# KiCad board Eclipse60.kicad_pcb (continued)
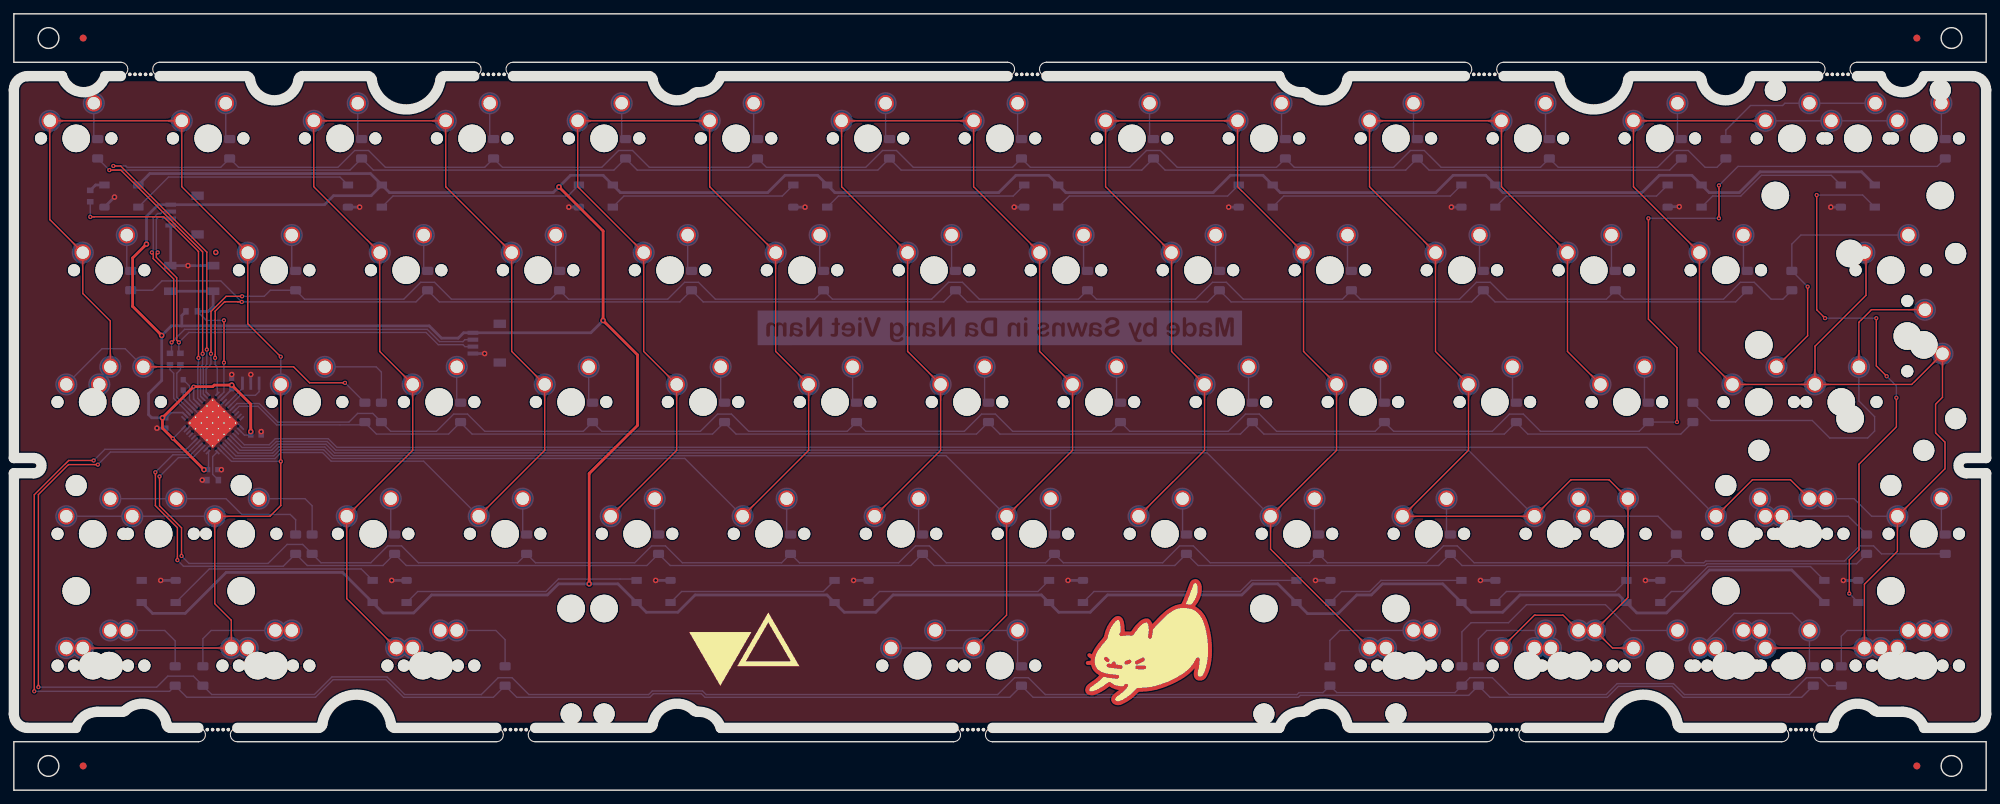
[diagram p0: board, top side]
## Copper pours and planes (outline as drawn; the poured copper is in the pictures) (continued)
Net-(D49-Pad2) on Bottom: 26.64,42.23 26.5,42.23 26.37,42.24 26.25,42.25 26.14,42.27 26.04,42.29 25.94,42.32 25.85,42.35 25.77,42.38 25.69,42.42 25.61,42.45 25.54,42.5 25.48,42.54 25.41,42.59 25.35,42.64 25.29,42.69 25.23,42.75 24.92,43.04 24.85,43.1 24.78,43.16 24.7,43.22 24.63,43.28 24.54,43.34 24.45,43.4 24.36,43.46 24.25,43.51 24.14,43.57 22.65,42.13 24.14,40.69 24.25,40.75 24.36,40.8 24.45,40.86 24.54,40.92 24.63,40.98 24.7,41.04 24.78,41.1 24.85,41.16 24.92,41.22 25.23,41.51 25.29,41.57 25.35,41.62 25.41,41.67 25.48,41.72 25.54,41.76 25.61,41.8 25.69,41.84 25.77,41.88 25.85,41.91 25.94,41.94 26.04,41.97 26.14,41.99 26.25,42.01 26.37,42.02 26.5,42.03 26.64,42.03
Net-(D49-Pad2) on Bottom: 25.84,42.23 25.73,42.23 25.64,42.24 25.55,42.25 25.47,42.26 25.39,42.27 25.32,42.29 25.25,42.31 25.19,42.34 25.13,42.36 25.07,42.39 25.02,42.42 24.97,42.46 24.92,42.49 24.87,42.53 24.44,42.91 24.39,42.95 24.33,43 24.27,43.04 24.2,43.08 24.13,43.13 24.05,43.17 23.97,43.21 22.85,42.13 23.97,41.05 24.05,41.09 24.13,41.13 24.2,41.18 24.27,41.22 24.33,41.26 24.39,41.31 24.44,41.35 24.87,41.73 24.92,41.77 24.97,41.8 25.02,41.84 25.07,41.87 25.13,41.9 25.19,41.92 25.25,41.95 25.32,41.97 25.39,41.99 25.47,42 25.55,42.01 25.64,42.02 25.73,42.03 25.84,42.03
Net-(D49-Pad2) on Bottom: 40.57,38.14 40.13,37.21 40.67,36.65 41.21,37.21 40.77,38.14
Net-(D50-Pad2) on Bottom: 38.54,42.23 38.41,42.23 38.28,42.24 38.16,42.25 38.05,42.27 37.95,42.29 37.85,42.32 37.76,42.35 37.67,42.38 37.6,42.42 37.52,42.45 37.45,42.5 37.38,42.54 37.32,42.59 37.25,42.64 37.19,42.69 37.13,42.75 36.82,43.04 36.76,43.1 36.68,43.16 36.61,43.22 36.53,43.28 36.45,43.34 36.36,43.4 36.26,43.46 36.16,43.51 36.05,43.57 34.55,42.13 36.05,40.69 36.16,40.75 36.26,40.8 36.36,40.86 36.45,40.92 36.53,40.98 36.61,41.04 36.68,41.1 36.76,41.16 36.82,41.22 37.13,41.51 37.19,41.57 37.25,41.62 37.32,41.67 37.38,41.72 37.45,41.76 37.52,41.8 37.6,41.84 37.67,41.88 37.76,41.91 37.85,41.94 37.95,41.97 38.05,41.99 38.16,42.01 38.28,42.02 38.41,42.03 38.54,42.03
Net-(D50-Pad2) on Bottom: 37.74,42.23 37.64,42.23 37.55,42.24 37.46,42.25 37.37,42.26 37.3,42.27 37.22,42.29 37.16,42.31 37.09,42.34 37.03,42.36 36.98,42.39 36.92,42.42 36.87,42.46 36.82,42.49 36.78,42.53 36.35,42.91 36.29,42.95 36.23,43 36.17,43.04 36.1,43.08 36.03,43.13 35.96,43.17 35.88,43.21 34.75,42.13 35.88,41.05 35.96,41.09 36.03,41.13 36.1,41.18 36.17,41.22 36.23,41.26 36.29,41.31 36.35,41.35 36.78,41.73 36.82,41.77 36.87,41.8 36.92,41.84 36.98,41.87 37.03,41.9 37.09,41.92 37.16,41.95 37.22,41.97 37.3,41.99 37.37,42 37.46,42.01 37.55,42.02 37.64,42.03 37.74,42.03
Net-(D50-Pad2) on Bottom: 42.96,38.14 42.52,37.21 43.06,36.65 43.6,37.21 43.16,38.14
Net-(D51-Pad2) on Bottom: 54.5,38.94 54.51,39.08 54.51,39.2 54.53,39.32 54.54,39.43 54.56,39.54 54.59,39.63 54.62,39.72 54.65,39.81 54.69,39.89 54.73,39.96 54.77,40.03 54.82,40.1 54.86,40.17 54.91,40.23 54.97,40.29 55.02,40.35 55.31,40.66 55.37,40.73 55.43,40.8 55.49,40.87 55.55,40.95 55.61,41.03 55.67,41.12 55.73,41.22 55.79,41.32 55.84,41.43 54.4,42.93 52.96,41.43 53.02,41.32 53.08,41.22 53.13,41.12 53.19,41.03 53.25,40.95 53.31,40.87 53.37,40.8 53.43,40.73 53.49,40.66 53.79,40.35 53.84,40.29 53.89,40.23 53.94,40.17 53.99,40.1 54.03,40.03 54.08,39.96 54.12,39.89 54.15,39.81 54.19,39.72 54.22,39.63 54.24,39.54 54.26,39.43 54.28,39.32 54.29,39.2 54.3,39.08 54.3,38.94
Net-(D51-Pad2) on Bottom: 54.5,39.74 54.5,39.84 54.51,39.94 54.52,40.03 54.53,40.11 54.55,40.19 54.57,40.26 54.59,40.33 54.61,40.39 54.64,40.45 54.67,40.5 54.7,40.56 54.73,40.61 54.76,40.66 54.8,40.71 55.18,41.13 55.22,41.19 55.27,41.25 55.31,41.31 55.36,41.38 55.4,41.45 55.44,41.53 55.48,41.61 54.4,42.73 53.32,41.61 53.36,41.53 53.41,41.45 53.45,41.38 53.49,41.31 53.54,41.25 53.58,41.19 53.63,41.13 54,40.71 54.04,40.66 54.08,40.61 54.11,40.56 54.14,40.5 54.17,40.45 54.19,40.39 54.22,40.33 54.24,40.26 54.26,40.19 54.27,40.11 54.29,40.03 54.3,39.94 54.3,39.84 54.3,39.74
Net-(D52-Pad2) on Bottom: 73.55,38.94 73.56,39.08 73.56,39.2 73.58,39.32 73.59,39.43 73.61,39.54 73.64,39.63 73.67,39.72 73.7,39.81 73.74,39.89 73.78,39.96 73.82,40.03 73.87,40.1 73.91,40.17 73.96,40.23 74.02,40.29 74.07,40.35 74.36,40.66 74.42,40.73 74.48,40.8 74.54,40.87 74.6,40.95 74.66,41.03 74.72,41.12 74.78,41.22 74.84,41.32 74.89,41.43 73.45,42.93 72.01,41.43 72.07,41.32 72.13,41.22 72.18,41.12 72.24,41.03 72.3,40.95 72.36,40.87 72.42,40.8 72.48,40.73 72.54,40.66 72.84,40.35 72.89,40.29 72.94,40.23 72.99,40.17 73.04,40.1 73.08,40.03 73.13,39.96 73.17,39.89 73.2,39.81 73.24,39.72 73.27,39.63 73.29,39.54 73.31,39.43 73.33,39.32 73.34,39.2 73.35,39.08 73.35,38.94
Net-(D52-Pad2) on Bottom: 73.55,39.74 73.55,39.84 73.56,39.94 73.57,40.03 73.58,40.11 73.6,40.19 73.62,40.26 73.64,40.33 73.66,40.39 73.69,40.45 73.72,40.5 73.75,40.56 73.78,40.61 73.81,40.66 73.85,40.71 74.23,41.13 74.27,41.19 74.32,41.25 74.36,41.31 74.41,41.38 74.45,41.45 74.49,41.53 74.53,41.61 73.45,42.73 72.37,41.61 72.41,41.53 72.46,41.45 72.5,41.38 72.54,41.31 72.59,41.25 72.63,41.19 72.68,41.13 73.05,40.71 73.09,40.66 73.13,40.61 73.16,40.56 73.19,40.5 73.22,40.45 73.24,40.39 73.27,40.33 73.29,40.26 73.31,40.19 73.32,40.11 73.34,40.03 73.35,39.94 73.35,39.84 73.35,39.74
Net-(D53-Pad2) on Bottom: 92.6,38.94 92.61,39.08 92.61,39.2 92.63,39.32 92.64,39.43 92.66,39.54 92.69,39.63 92.72,39.72 92.75,39.81 92.79,39.89 92.83,39.96 92.87,40.03 92.92,40.1 92.96,40.17 93.01,40.23 93.07,40.29 93.12,40.35 93.41,40.66 93.47,40.73 93.53,40.8 93.59,40.87 93.65,40.95 93.71,41.03 93.77,41.12 93.83,41.22 93.89,41.32 93.94,41.43 92.5,42.93 91.06,41.43 91.12,41.32 91.18,41.22 91.23,41.12 91.29,41.03 91.35,40.95 91.41,40.87 91.47,40.8 91.53,40.73 91.59,40.66 91.89,40.35 91.94,40.29 91.99,40.23 92.04,40.17 92.09,40.1 92.13,40.03 92.18,39.96 92.22,39.89 92.25,39.81 92.29,39.72 92.32,39.63 92.34,39.54 92.36,39.43 92.38,39.32 92.39,39.2 92.4,39.08 92.4,38.94
Net-(D53-Pad2) on Bottom: 92.6,39.74 92.6,39.84 92.61,39.94 92.62,40.03 92.63,40.11 92.65,40.19 92.67,40.26 92.69,40.33 92.71,40.39 92.74,40.45 92.77,40.5 92.8,40.56 92.83,40.61 92.86,40.66 92.9,40.71 93.28,41.13 93.32,41.19 93.37,41.25 93.41,41.31 93.46,41.38 93.5,41.45 93.54,41.53 93.58,41.61 92.5,42.73 91.42,41.61 91.46,41.53 91.51,41.45 91.55,41.38 91.59,41.31 91.64,41.25 91.68,41.19 91.73,41.13 92.1,40.71 92.14,40.66 92.18,40.61 92.21,40.56 92.24,40.5 92.27,40.45 92.29,40.39 92.32,40.33 92.34,40.26 92.36,40.19 92.37,40.11 92.39,40.03 92.4,39.94 92.4,39.84 92.4,39.74
Net-(D54-Pad2) on Bottom: 111.65,38.94 111.66,39.08 111.66,39.2 111.68,39.32 111.69,39.43 111.71,39.54 111.74,39.63 111.77,39.72 111.8,39.81 111.84,39.89 111.88,39.96 111.92,40.03 111.97,40.1 112.01,40.17 112.06,40.23 112.12,40.29 112.17,40.35 112.46,40.66 112.52,40.73 112.58,40.8 112.64,40.87 112.7,40.95 112.76,41.03 112.82,41.12 112.88,41.22 112.94,41.32 112.99,41.43 111.55,42.93 110.11,41.43 110.17,41.32 110.23,41.22 110.28,41.12 110.34,41.03 110.4,40.95 110.46,40.87 110.52,40.8 110.58,40.73 110.64,40.66 110.94,40.35 110.99,40.29 111.04,40.23 111.09,40.17 111.14,40.1 111.18,40.03 111.23,39.96 111.27,39.89 111.3,39.81 111.34,39.72 111.37,39.63 111.39,39.54 111.41,39.43 111.43,39.32 111.44,39.2 111.45,39.08 111.45,38.94
Net-(D54-Pad2) on Bottom: 111.65,39.74 111.65,39.84 111.66,39.94 111.67,40.03 111.68,40.11 111.7,40.19 111.72,40.26 111.74,40.33 111.76,40.39 111.79,40.45 111.82,40.5 111.85,40.56 111.88,40.61 111.91,40.66 111.95,40.71 112.33,41.13 112.37,41.19 112.42,41.25 112.46,41.31 112.51,41.38 112.55,41.45 112.59,41.53 112.63,41.61 111.55,42.73 110.47,41.61 110.51,41.53 110.56,41.45 110.6,41.38 110.64,41.31 110.69,41.25 110.73,41.19 110.78,41.13 111.15,40.71 111.19,40.66 111.23,40.61 111.26,40.56 111.29,40.5 111.32,40.45 111.34,40.39 111.37,40.33 111.39,40.26 111.41,40.19 111.42,40.11 111.44,40.03 111.45,39.94 111.45,39.84 111.45,39.74
Net-(D55-Pad2) on Bottom: 130.7,38.94 130.71,39.08 130.71,39.2 130.73,39.32 130.74,39.43 130.76,39.54 130.79,39.63 130.82,39.72 130.85,39.81 130.89,39.89 130.93,39.96 130.97,40.03 131.02,40.1 131.06,40.17 131.11,40.23 131.17,40.29 131.22,40.35 131.51,40.66 131.57,40.73 131.63,40.8 131.69,40.87 131.75,40.95 131.81,41.03 131.87,41.12 131.93,41.22 131.99,41.32 132.04,41.43 130.6,42.93 129.16,41.43 129.22,41.32 129.28,41.22 129.33,41.12 129.39,41.03 129.45,40.95 129.51,40.87 129.57,40.8 129.63,40.73 129.69,40.66 129.99,40.35 130.04,40.29 130.09,40.23 130.14,40.17 130.19,40.1 130.23,40.03 130.28,39.96 130.32,39.89 130.35,39.81 130.39,39.72 130.42,39.63 130.44,39.54 130.46,39.43 130.48,39.32 130.49,39.2 130.5,39.08 130.5,38.94
Net-(D55-Pad2) on Bottom: 130.7,39.74 130.7,39.84 130.71,39.94 130.72,40.03 130.73,40.11 130.75,40.19 130.77,40.26 130.79,40.33 130.81,40.39 130.84,40.45 130.87,40.5 130.9,40.56 130.93,40.61 130.96,40.66 131,40.71 131.38,41.13 131.42,41.19 131.47,41.25 131.51,41.31 131.56,41.38 131.6,41.45 131.64,41.53 131.68,41.61 130.6,42.73 129.52,41.61 129.56,41.53 129.61,41.45 129.65,41.38 129.69,41.31 129.74,41.25 129.78,41.19 129.83,41.13 130.2,40.71 130.24,40.66 130.28,40.61 130.31,40.56 130.34,40.5 130.37,40.45 130.39,40.39 130.42,40.33 130.44,40.26 130.46,40.19 130.47,40.11 130.49,40.03 130.5,39.94 130.5,39.84 130.5,39.74
Net-(D56-Pad2) on Bottom: 149.75,38.94 149.76,39.08 149.76,39.2 149.78,39.32 149.79,39.43 149.81,39.54 149.84,39.63 149.87,39.72 149.9,39.81 149.94,39.89 149.98,39.96 150.02,40.03 150.07,40.1 150.11,40.17 150.16,40.23 150.22,40.29 150.27,40.35 150.56,40.66 150.62,40.73 150.68,40.8 150.74,40.87 150.8,40.95 150.86,41.03 150.92,41.12 150.98,41.22 151.04,41.32 151.09,41.43 149.65,42.93 148.21,41.43 148.27,41.32 148.33,41.22 148.38,41.12 148.44,41.03 148.5,40.95 148.56,40.87 148.62,40.8 148.68,40.73 148.74,40.66 149.04,40.35 149.09,40.29 149.14,40.23 149.19,40.17 149.24,40.1 149.28,40.03 149.33,39.96 149.37,39.89 149.4,39.81 149.44,39.72 149.47,39.63 149.49,39.54 149.51,39.43 149.53,39.32 149.54,39.2 149.55,39.08 149.55,38.94
Net-(D56-Pad2) on Bottom: 149.75,39.74 149.75,39.84 149.76,39.94 149.77,40.03 149.78,40.11 149.8,40.19 149.82,40.26 149.84,40.33 149.86,40.39 149.89,40.45 149.92,40.5 149.95,40.56 149.98,40.61 150.01,40.66 150.05,40.71 150.43,41.13 150.47,41.19 150.52,41.25 150.56,41.31 150.61,41.38 150.65,41.45 150.69,41.53 150.73,41.61 149.65,42.73 148.57,41.61 148.61,41.53 148.66,41.45 148.7,41.38 148.74,41.31 148.79,41.25 148.83,41.19 148.88,41.13 149.25,40.71 149.29,40.66 149.33,40.61 149.36,40.56 149.39,40.5 149.42,40.45 149.44,40.39 149.47,40.33 149.49,40.26 149.51,40.19 149.52,40.11 149.54,40.03 149.55,39.94 149.55,39.84 149.55,39.74
Net-(D57-Pad2) on Bottom: 168.8,38.94 168.81,39.08 168.81,39.2 168.83,39.32 168.84,39.43 168.86,39.54 168.89,39.63 168.92,39.72 168.95,39.81 168.99,39.89 169.03,39.96 169.07,40.03 169.12,40.1 169.16,40.17 169.21,40.23 169.27,40.29 169.32,40.35 169.61,40.66 169.67,40.73 169.73,40.8 169.79,40.87 169.85,40.95 169.91,41.03 169.97,41.12 170.03,41.22 170.09,41.32 170.14,41.43 168.7,42.93 167.26,41.43 167.32,41.32 167.38,41.22 167.43,41.12 167.49,41.03 167.55,40.95 167.61,40.87 167.67,40.8 167.73,40.73 167.79,40.66 168.09,40.35 168.14,40.29 168.19,40.23 168.24,40.17 168.29,40.1 168.33,40.03 168.38,39.96 168.42,39.89 168.45,39.81 168.49,39.72 168.52,39.63 168.54,39.54 168.56,39.43 168.58,39.32 168.59,39.2 168.6,39.08 168.6,38.94
Net-(D57-Pad2) on Bottom: 168.8,39.74 168.8,39.84 168.81,39.94 168.82,40.03 168.83,40.11 168.85,40.19 168.87,40.26 168.89,40.33 168.91,40.39 168.94,40.45 168.97,40.5 169,40.56 169.03,40.61 169.06,40.66 169.1,40.71 169.48,41.13 169.52,41.19 169.57,41.25 169.61,41.31 169.66,41.38 169.7,41.45 169.74,41.53 169.78,41.61 168.7,42.73 167.62,41.61 167.66,41.53 167.71,41.45 167.75,41.38 167.79,41.31 167.84,41.25 167.88,41.19 167.93,41.13 168.3,40.71 168.34,40.66 168.38,40.61 168.41,40.56 168.44,40.5 168.47,40.45 168.49,40.39 168.52,40.33 168.54,40.26 168.56,40.19 168.57,40.11 168.59,40.03 168.6,39.94 168.6,39.84 168.6,39.74
Net-(D58-Pad2) on Bottom: 187.85,38.94 187.86,39.08 187.86,39.2 187.88,39.32 187.89,39.43 187.91,39.54 187.94,39.63 187.97,39.72 188,39.81 188.04,39.89 188.08,39.96 188.12,40.03 188.17,40.1 188.21,40.17 188.26,40.23 188.32,40.29 188.37,40.35 188.66,40.66 188.72,40.73 188.78,40.8 188.84,40.87 188.9,40.95 188.96,41.03 189.02,41.12 189.08,41.22 189.14,41.32 189.19,41.43 187.75,42.93 186.31,41.43 186.37,41.32 186.43,41.22 186.48,41.12 186.54,41.03 186.6,40.95 186.66,40.87 186.72,40.8 186.78,40.73 186.84,40.66 187.14,40.35 187.19,40.29 187.24,40.23 187.29,40.17 187.34,40.1 187.38,40.03 187.43,39.96 187.47,39.89 187.5,39.81 187.54,39.72 187.57,39.63 187.59,39.54 187.61,39.43 187.63,39.32 187.64,39.2 187.65,39.08 187.65,38.94
Net-(D58-Pad2) on Bottom: 187.85,39.74 187.85,39.84 187.86,39.94 187.87,40.03 187.88,40.11 187.9,40.19 187.92,40.26 187.94,40.33 187.96,40.39 187.99,40.45 188.02,40.5 188.05,40.56 188.08,40.61 188.11,40.66 188.15,40.71 188.53,41.13 188.57,41.19 188.62,41.25 188.66,41.31 188.71,41.38 188.75,41.45 188.79,41.53 188.83,41.61 187.75,42.73 186.67,41.61 186.71,41.53 186.76,41.45 186.8,41.38 186.84,41.31 186.89,41.25 186.93,41.19 186.98,41.13 187.35,40.71 187.39,40.66 187.43,40.61 187.46,40.56 187.49,40.5 187.52,40.45 187.54,40.39 187.57,40.33 187.59,40.26 187.61,40.19 187.62,40.11 187.64,40.03 187.65,39.94 187.65,39.84 187.65,39.74
Net-(D59-Pad2) on Bottom: 206.9,38.94 206.91,39.08 206.91,39.2 206.93,39.32 206.94,39.43 206.96,39.54 206.99,39.63 207.02,39.72 207.05,39.81 207.09,39.89 207.13,39.96 207.17,40.03 207.22,40.1 207.26,40.17 207.31,40.23 207.37,40.29 207.42,40.35 207.71,40.66 207.77,40.73 207.83,40.8 207.89,40.87 207.95,40.95 208.01,41.03 208.07,41.12 208.13,41.22 208.19,41.32 208.24,41.43 206.8,42.93 205.36,41.43 205.42,41.32 205.48,41.22 205.53,41.12 205.59,41.03 205.65,40.95 205.71,40.87 205.77,40.8 205.83,40.73 205.89,40.66 206.19,40.35 206.24,40.29 206.29,40.23 206.34,40.17 206.39,40.1 206.43,40.03 206.48,39.96 206.52,39.89 206.55,39.81 206.59,39.72 206.62,39.63 206.64,39.54 206.66,39.43 206.68,39.32 206.69,39.2 206.7,39.08 206.7,38.94
Net-(D59-Pad2) on Bottom: 206.9,39.74 206.9,39.84 206.91,39.94 206.92,40.03 206.93,40.11 206.95,40.19 206.97,40.26 206.99,40.33 207.01,40.39 207.04,40.45 207.07,40.5 207.1,40.56 207.13,40.61 207.16,40.66 207.2,40.71 207.58,41.13 207.62,41.19 207.67,41.25 207.71,41.31 207.76,41.38 207.8,41.45 207.84,41.53 207.88,41.61 206.8,42.73 205.72,41.61 205.76,41.53 205.81,41.45 205.85,41.38 205.89,41.31 205.94,41.25 205.98,41.19 206.03,41.13 206.4,40.71 206.44,40.66 206.48,40.61 206.51,40.56 206.54,40.5 206.57,40.45 206.59,40.39 206.62,40.33 206.64,40.26 206.66,40.19 206.67,40.11 206.69,40.03 206.7,39.94 206.7,39.84 206.7,39.74
Net-(D60-Pad2) on Bottom: 229.84,39.69 229.7,39.69 229.57,39.7 229.45,39.71 229.34,39.73 229.24,39.75 229.14,39.78 229.05,39.81 228.97,39.84 228.89,39.88 228.81,39.91 228.74,39.96 228.68,40 228.61,40.05 228.55,40.1 228.49,40.15 228.43,40.21 228.12,40.5 228.05,40.56 227.98,40.62 227.9,40.68 227.83,40.74 227.74,40.8 227.65,40.86 227.56,40.92 227.45,40.97 227.34,41.03 225.85,39.59 227.34,38.15 227.45,38.21 227.56,38.26 227.65,38.32 227.74,38.38 227.83,38.44 227.9,38.5 227.98,38.56 228.05,38.62 228.12,38.68 228.43,38.97 228.49,39.03 228.55,39.08 228.61,39.13 228.68,39.18 228.74,39.22 228.81,39.26 228.89,39.3 228.97,39.34 229.05,39.37 229.14,39.4 229.24,39.43 229.34,39.45 229.45,39.47 229.57,39.48 229.7,39.49 229.84,39.49
Net-(D60-Pad2) on Bottom: 229.04,39.69 228.93,39.69 228.84,39.7 228.75,39.71 228.67,39.72 228.59,39.73 228.52,39.75 228.45,39.77 228.39,39.8 228.33,39.82 228.27,39.85 228.22,39.88 228.17,39.92 228.12,39.95 228.07,39.99 227.64,40.37 227.59,40.41 227.53,40.46 227.47,40.5 227.4,40.54 227.33,40.59 227.25,40.63 227.17,40.67 226.05,39.59 227.17,38.51 227.25,38.55 227.33,38.59 227.4,38.64 227.47,38.68 227.53,38.72 227.59,38.77 227.64,38.81 228.07,39.19 228.12,39.23 228.17,39.26 228.22,39.3 228.27,39.33 228.33,39.36 228.39,39.38 228.45,39.41 228.52,39.43 228.59,39.45 228.67,39.46 228.75,39.47 228.84,39.48 228.93,39.49 229.04,39.49
Net-(D60-Pad2) on Bottom: 239.07,37.72 239.41,36.75 240.19,36.74 240.18,37.52 239.21,37.86
Net-(D62-Pad2) on Bottom: 258.41,39.69 258.27,39.69 258.15,39.7 258.03,39.71 257.92,39.73 257.81,39.75 257.72,39.78 257.63,39.81 257.54,39.84 257.46,39.88 257.39,39.91 257.32,39.96 257.25,40 257.19,40.05 257.12,40.1 257.06,40.15 257,40.21 256.69,40.5 256.62,40.56 256.55,40.62 256.48,40.68 256.4,40.74 256.32,40.8 256.23,40.86 256.13,40.92 256.03,40.97 255.92,41.03 254.42,39.59 255.92,38.15 256.03,38.21 256.13,38.26 256.23,38.32 256.32,38.38 256.4,38.44 256.48,38.5 256.55,38.56 256.62,38.62 256.69,38.68 257,38.97 257.06,39.03 257.12,39.08 257.19,39.13 257.25,39.18 257.32,39.22 257.39,39.26 257.46,39.3 257.54,39.34 257.63,39.37 257.72,39.4 257.81,39.43 257.92,39.45 258.03,39.47 258.15,39.48 258.27,39.49 258.41,39.49
Net-(D62-Pad2) on Bottom: 257.61,39.69 257.51,39.69 257.41,39.7 257.33,39.71 257.24,39.72 257.17,39.73 257.09,39.75 257.03,39.77 256.96,39.8 256.9,39.82 256.85,39.85 256.79,39.88 256.74,39.92 256.69,39.95 256.65,39.99 256.22,40.37 256.16,40.41 256.1,40.46 256.04,40.5 255.97,40.54 255.9,40.59 255.83,40.63 255.74,40.67 254.62,39.59 255.74,38.51 255.83,38.55 255.9,38.59 255.97,38.64 256.04,38.68 256.1,38.72 256.16,38.77 256.22,38.81 256.65,39.19 256.69,39.23 256.74,39.26 256.79,39.3 256.85,39.33 256.9,39.36 256.96,39.38 257.03,39.41 257.09,39.43 257.17,39.45 257.24,39.46 257.33,39.47 257.41,39.48 257.51,39.49 257.61,39.49
Net-(D62-Pad2) on Bottom: 266.53,37.72 266.88,36.75 267.66,36.74 267.64,37.52 266.67,37.86
Net-(D63-Pad2) on Bottom: 278.34,38.94 278.34,39.08 278.35,39.2 278.36,39.32 278.38,39.43 278.4,39.54 278.43,39.63 278.46,39.72 278.49,39.81 278.53,39.89 278.56,39.96 278.61,40.03 278.65,40.1 278.7,40.17 278.75,40.23 278.8,40.29 278.86,40.35 279.15,40.66 279.21,40.73 279.27,40.8 279.33,40.87 279.39,40.95 279.45,41.03 279.51,41.12 279.57,41.22 279.62,41.32 279.68,41.43 278.24,42.93 276.8,41.43 276.86,41.32 276.91,41.22 276.97,41.12 277.03,41.03 277.09,40.95 277.15,40.87 277.21,40.8 277.27,40.73 277.33,40.66 277.62,40.35 277.68,40.29 277.73,40.23 277.78,40.17 277.83,40.1 277.87,40.03 277.92,39.96 277.95,39.89 277.99,39.81 278.02,39.72 278.05,39.63 278.08,39.54 278.1,39.43 278.12,39.32 278.13,39.2 278.14,39.08 278.14,38.94
Net-(D63-Pad2) on Bottom: 278.34,39.74 278.34,39.84 278.35,39.94 278.36,40.03 278.37,40.11 278.38,40.19 278.4,40.26 278.42,40.33 278.45,40.39 278.47,40.45 278.5,40.5 278.53,40.56 278.57,40.61 278.6,40.66 278.64,40.71 279.02,41.13 279.06,41.19 279.11,41.25 279.15,41.31 279.19,41.38 279.24,41.45 279.28,41.53 279.32,41.61 278.24,42.73 277.16,41.61 277.2,41.53 277.24,41.45 277.29,41.38 277.33,41.31 277.37,41.25 277.42,41.19 277.46,41.13 277.84,40.71 277.88,40.66 277.91,40.61 277.95,40.56 277.98,40.5 278.01,40.45 278.03,40.39 278.06,40.33 278.08,40.26 278.1,40.19 278.11,40.11 278.12,40.03 278.13,39.94 278.14,39.84 278.14,39.74
Net-(D65-Pad2) on Bottom: 19.49,23.18 19.36,23.18 19.23,23.19 19.11,23.2 19,23.22 18.9,23.24 18.8,23.27 18.71,23.3 18.62,23.33 18.55,23.37 18.47,23.4 18.4,23.45 18.33,23.49 18.27,23.54 18.2,23.59 18.14,23.64 18.08,23.7 17.77,23.99 17.71,24.05 17.63,24.11 17.56,24.17 17.48,24.23 17.4,24.29 17.31,24.35 17.21,24.41 17.11,24.46 17,24.52 15.5,23.08 17,21.64 17.11,21.7 17.21,21.75 17.31,21.81 17.4,21.87 17.48,21.93 17.56,21.99 17.63,22.05 17.71,22.11 17.77,22.17 18.08,22.46 18.14,22.52 18.2,22.57 18.27,22.62 18.33,22.67 18.4,22.71 18.47,22.75 18.55,22.79 18.62,22.83 18.71,22.86 18.8,22.89 18.9,22.92 19,22.94 19.11,22.96 19.23,22.97 19.36,22.98 19.49,22.98
Net-(D65-Pad2) on Bottom: 18.69,23.18 18.59,23.18 18.5,23.19 18.41,23.2 18.32,23.21 18.25,23.22 18.17,23.24 18.11,23.26 18.04,23.29 17.98,23.31 17.93,23.34 17.87,23.37 17.82,23.41 17.77,23.44 17.73,23.48 17.3,23.86 17.24,23.9 17.18,23.95 17.12,23.99 17.05,24.03 16.98,24.08 16.91,24.12 16.83,24.16 15.7,23.08 16.83,22 16.91,22.04 16.98,22.08 17.05,22.13 17.12,22.17 17.18,22.21 17.24,22.26 17.3,22.3 17.73,22.68 17.77,22.72 17.82,22.75 17.87,22.79 17.93,22.82 17.98,22.85 18.04,22.87 18.11,22.9 18.17,22.92 18.25,22.94 18.32,22.95 18.41,22.96 18.5,22.97 18.59,22.98 18.69,22.98
Net-(D65-Pad2) on Bottom: 23.19,19.09 22.75,18.16 23.29,17.6 23.83,18.16 23.39,19.09
Net-(D66-Pad2) on Bottom: 27.19,19.09 26.75,18.16 27.29,17.6 27.83,18.16 27.39,19.09
Net-(D66-Pad2) on Bottom: 34.54,22.98 34.68,22.98 34.81,22.97 34.93,22.96 35.04,22.94 35.14,22.92 35.24,22.89 35.33,22.86 35.41,22.83 35.49,22.79 35.57,22.75 35.64,22.71 35.7,22.67 35.77,22.62 35.83,22.57 35.89,22.52 35.95,22.46 36.26,22.17 36.33,22.11 36.4,22.05 36.48,21.99 36.55,21.93 36.64,21.87 36.73,21.81 36.82,21.75 36.93,21.7 37.04,21.64 38.53,23.08 37.04,24.52 36.93,24.46 36.82,24.41 36.73,24.35 36.64,24.29 36.55,24.23 36.48,24.17 36.4,24.11 36.33,24.05 36.26,23.99 35.95,23.7 35.89,23.64 35.83,23.59 35.77,23.54 35.7,23.49 35.64,23.45 35.57,23.4 35.49,23.37 35.41,23.33 35.33,23.3 35.24,23.27 35.14,23.24 35.04,23.22 34.93,23.2 34.81,23.19 34.68,23.18 34.54,23.18
Net-(D66-Pad2) on Bottom: 35.34,22.98 35.45,22.98 35.54,22.97 35.63,22.96 35.71,22.95 35.79,22.94 35.86,22.92 35.93,22.9 35.99,22.87 36.05,22.85 36.11,22.82 36.16,22.79 36.21,22.75 36.26,22.72 36.31,22.68 36.74,22.3 36.79,22.26 36.85,22.21 36.91,22.17 36.98,22.13 37.05,22.08 37.13,22.04 37.21,22 38.33,23.08 37.21,24.16 37.13,24.12 37.05,24.08 36.98,24.03 36.91,23.99 36.85,23.95 36.79,23.9 36.74,23.86 36.31,23.48 36.26,23.44 36.21,23.41 36.16,23.37 36.11,23.34 36.05,23.31 35.99,23.29 35.93,23.26 35.86,23.24 35.79,23.22 35.71,23.21 35.63,23.2 35.54,23.19 35.45,23.18 35.34,23.18
Net-(D67-Pad2) on Bottom: 70.81,19.09 70.37,18.16 70.91,17.6 71.45,18.16 71.01,19.09
Net-(D67-Pad2) on Bottom: 67.12,23.18 66.98,23.18 66.85,23.19 66.73,23.2 66.62,23.22 66.52,23.24 66.42,23.27 66.33,23.3 66.25,23.33 66.17,23.37 66.1,23.4 66.02,23.45 65.96,23.49 65.89,23.54 65.83,23.59 65.77,23.64 65.71,23.7 65.4,23.99 65.33,24.05 65.26,24.11 65.19,24.17 65.11,24.23 65.02,24.29 64.93,24.35 64.84,24.41 64.73,24.46 64.62,24.52 63.13,23.08 64.62,21.64 64.73,21.7 64.84,21.75 64.93,21.81 65.02,21.87 65.11,21.93 65.19,21.99 65.26,22.05 65.33,22.11 65.4,22.17 65.71,22.46 65.77,22.52 65.83,22.57 65.89,22.62 65.96,22.67 66.02,22.71 66.1,22.75 66.17,22.79 66.25,22.83 66.33,22.86 66.42,22.89 66.52,22.92 66.62,22.94 66.73,22.96 66.85,22.97 66.98,22.98 67.12,22.98
Net-(D67-Pad2) on Bottom: 66.32,23.18 66.22,23.18 66.12,23.19 66.03,23.2 65.95,23.21 65.87,23.22 65.8,23.24 65.73,23.26 65.67,23.29 65.61,23.31 65.55,23.34 65.5,23.37 65.45,23.41 65.4,23.44 65.35,23.48 64.92,23.86 64.87,23.9 64.81,23.95 64.75,23.99 64.68,24.03 64.61,24.08 64.53,24.12 64.45,24.16 63.33,23.08 64.45,22 64.53,22.04 64.61,22.08 64.68,22.13 64.75,22.17 64.81,22.21 64.87,22.26 64.92,22.3 65.35,22.68 65.4,22.72 65.45,22.75 65.5,22.79 65.55,22.82 65.61,22.85 65.67,22.87 65.73,22.9 65.8,22.92 65.87,22.94 65.95,22.95 66.03,22.96 66.12,22.97 66.22,22.98 66.32,22.98
Net-(D68-Pad2) on Bottom: 218.7,22.98 218.8,22.98 218.9,22.97 218.99,22.96 219.07,22.95 219.15,22.94 219.22,22.92 219.29,22.9 219.35,22.87 219.41,22.85 219.46,22.82 219.52,22.79 219.57,22.75 219.62,22.72 219.67,22.68 220.09,22.3 220.15,22.26 220.21,22.21 220.27,22.17 220.34,22.13 220.41,22.08 220.49,22.04 220.57,22 221.69,23.08 220.57,24.16 220.49,24.12 220.41,24.08 220.34,24.03 220.27,23.99 220.21,23.95 220.15,23.9 220.09,23.86 219.67,23.48 219.62,23.44 219.57,23.41 219.52,23.37 219.46,23.34 219.41,23.31 219.35,23.29 219.29,23.26 219.22,23.24 219.15,23.22 219.07,23.21 218.99,23.2 218.9,23.19 218.8,23.18 218.7,23.18
Net-(D68-Pad2) on Bottom: 217.9,22.98 218.04,22.98 218.16,22.97 218.28,22.96 218.39,22.94 218.5,22.92 218.59,22.89 218.68,22.86 218.77,22.83 218.85,22.79 218.92,22.75 218.99,22.71 219.06,22.67 219.13,22.62 219.19,22.57 219.25,22.52 219.31,22.46 219.62,22.17 219.69,22.11 219.76,22.05 219.83,21.99 219.91,21.93 220,21.87 220.08,21.81 220.18,21.75 220.28,21.7 220.39,21.64 221.89,23.08 220.39,24.52 220.28,24.46 220.18,24.41 220.08,24.35 220,24.29 219.91,24.23 219.83,24.17 219.76,24.11 219.69,24.05 219.62,23.99 219.31,23.7 219.25,23.64 219.19,23.59 219.13,23.54 219.06,23.49 218.99,23.45 218.92,23.4 218.85,23.37 218.77,23.33 218.68,23.3 218.59,23.27 218.5,23.24 218.39,23.22 218.28,23.2 218.16,23.19 218.04,23.18 217.9,23.18
Net-(D68-Pad2) on Bottom: 211.31,19.09 210.87,18.16 211.41,17.6 211.95,18.16 211.51,19.09
Net-(D69-Pad2) on Bottom: 144.99,20.69 144.99,20.79 145,20.89 145.01,20.98 145.02,21.06 145.03,21.14 145.05,21.21 145.07,21.28 145.1,21.34 145.12,21.4 145.15,21.45 145.18,21.51 145.22,21.56 145.25,21.61 145.29,21.66 145.67,22.08 145.71,22.14 145.76,22.2 145.8,22.26 145.84,22.33 145.89,22.4 145.93,22.48 145.97,22.56 144.89,23.68 143.81,22.56 143.85,22.48 143.89,22.4 143.94,22.33 143.98,22.26 144.02,22.2 144.07,22.14 144.11,22.08 144.49,21.66 144.53,21.61 144.56,21.56 144.6,21.51 144.63,21.45 144.66,21.4 144.68,21.34 144.71,21.28 144.73,21.21 144.75,21.14 144.76,21.06 144.77,20.98 144.78,20.89 144.79,20.79 144.79,20.69
Net-(D69-Pad2) on Bottom: 144.99,19.89 144.99,20.03 145,20.15 145.01,20.27 145.03,20.38 145.05,20.49 145.08,20.58 145.11,20.67 145.14,20.76 145.18,20.84 145.21,20.91 145.26,20.98 145.3,21.05 145.35,21.12 145.4,21.18 145.45,21.24 145.51,21.3 145.8,21.61 145.86,21.68 145.92,21.75 145.98,21.82 146.04,21.9 146.1,21.98 146.16,22.07 146.22,22.17 146.27,22.27 146.33,22.38 144.89,23.88 143.45,22.38 143.51,22.27 143.56,22.17 143.62,22.07 143.68,21.98 143.74,21.9 143.8,21.82 143.86,21.75 143.92,21.68 143.98,21.61 144.27,21.3 144.33,21.24 144.38,21.18 144.43,21.12 144.48,21.05 144.52,20.98 144.57,20.91 144.6,20.84 144.64,20.76 144.67,20.67 144.7,20.58 144.73,20.49 144.75,20.38 144.77,20.27 144.78,20.15 144.79,20.03 144.79,19.89
Net-(D69-Pad2) on Bottom: 135.37,23.18 135.27,23.18 135.18,23.19 135.09,23.2 135.01,23.21 134.93,23.22 134.86,23.24 134.79,23.26 134.72,23.29 134.67,23.31 134.61,23.34 134.56,23.37 134.5,23.41 134.46,23.44 134.41,23.48 133.98,23.86 133.92,23.9 133.87,23.95 133.8,23.99 133.74,24.03 133.66,24.08 133.59,24.12 133.51,24.16 132.38,23.08 133.51,22 133.59,22.04 133.66,22.08 133.74,22.13 133.8,22.17 133.87,22.21 133.92,22.26 133.98,22.3 134.41,22.68 134.46,22.72 134.5,22.75 134.56,22.79 134.61,22.82 134.67,22.85 134.72,22.87 134.79,22.9 134.86,22.92 134.93,22.94 135.01,22.95 135.09,22.96 135.18,22.97 135.27,22.98 135.37,22.98
